# KiCad board panel.kicad_pcb
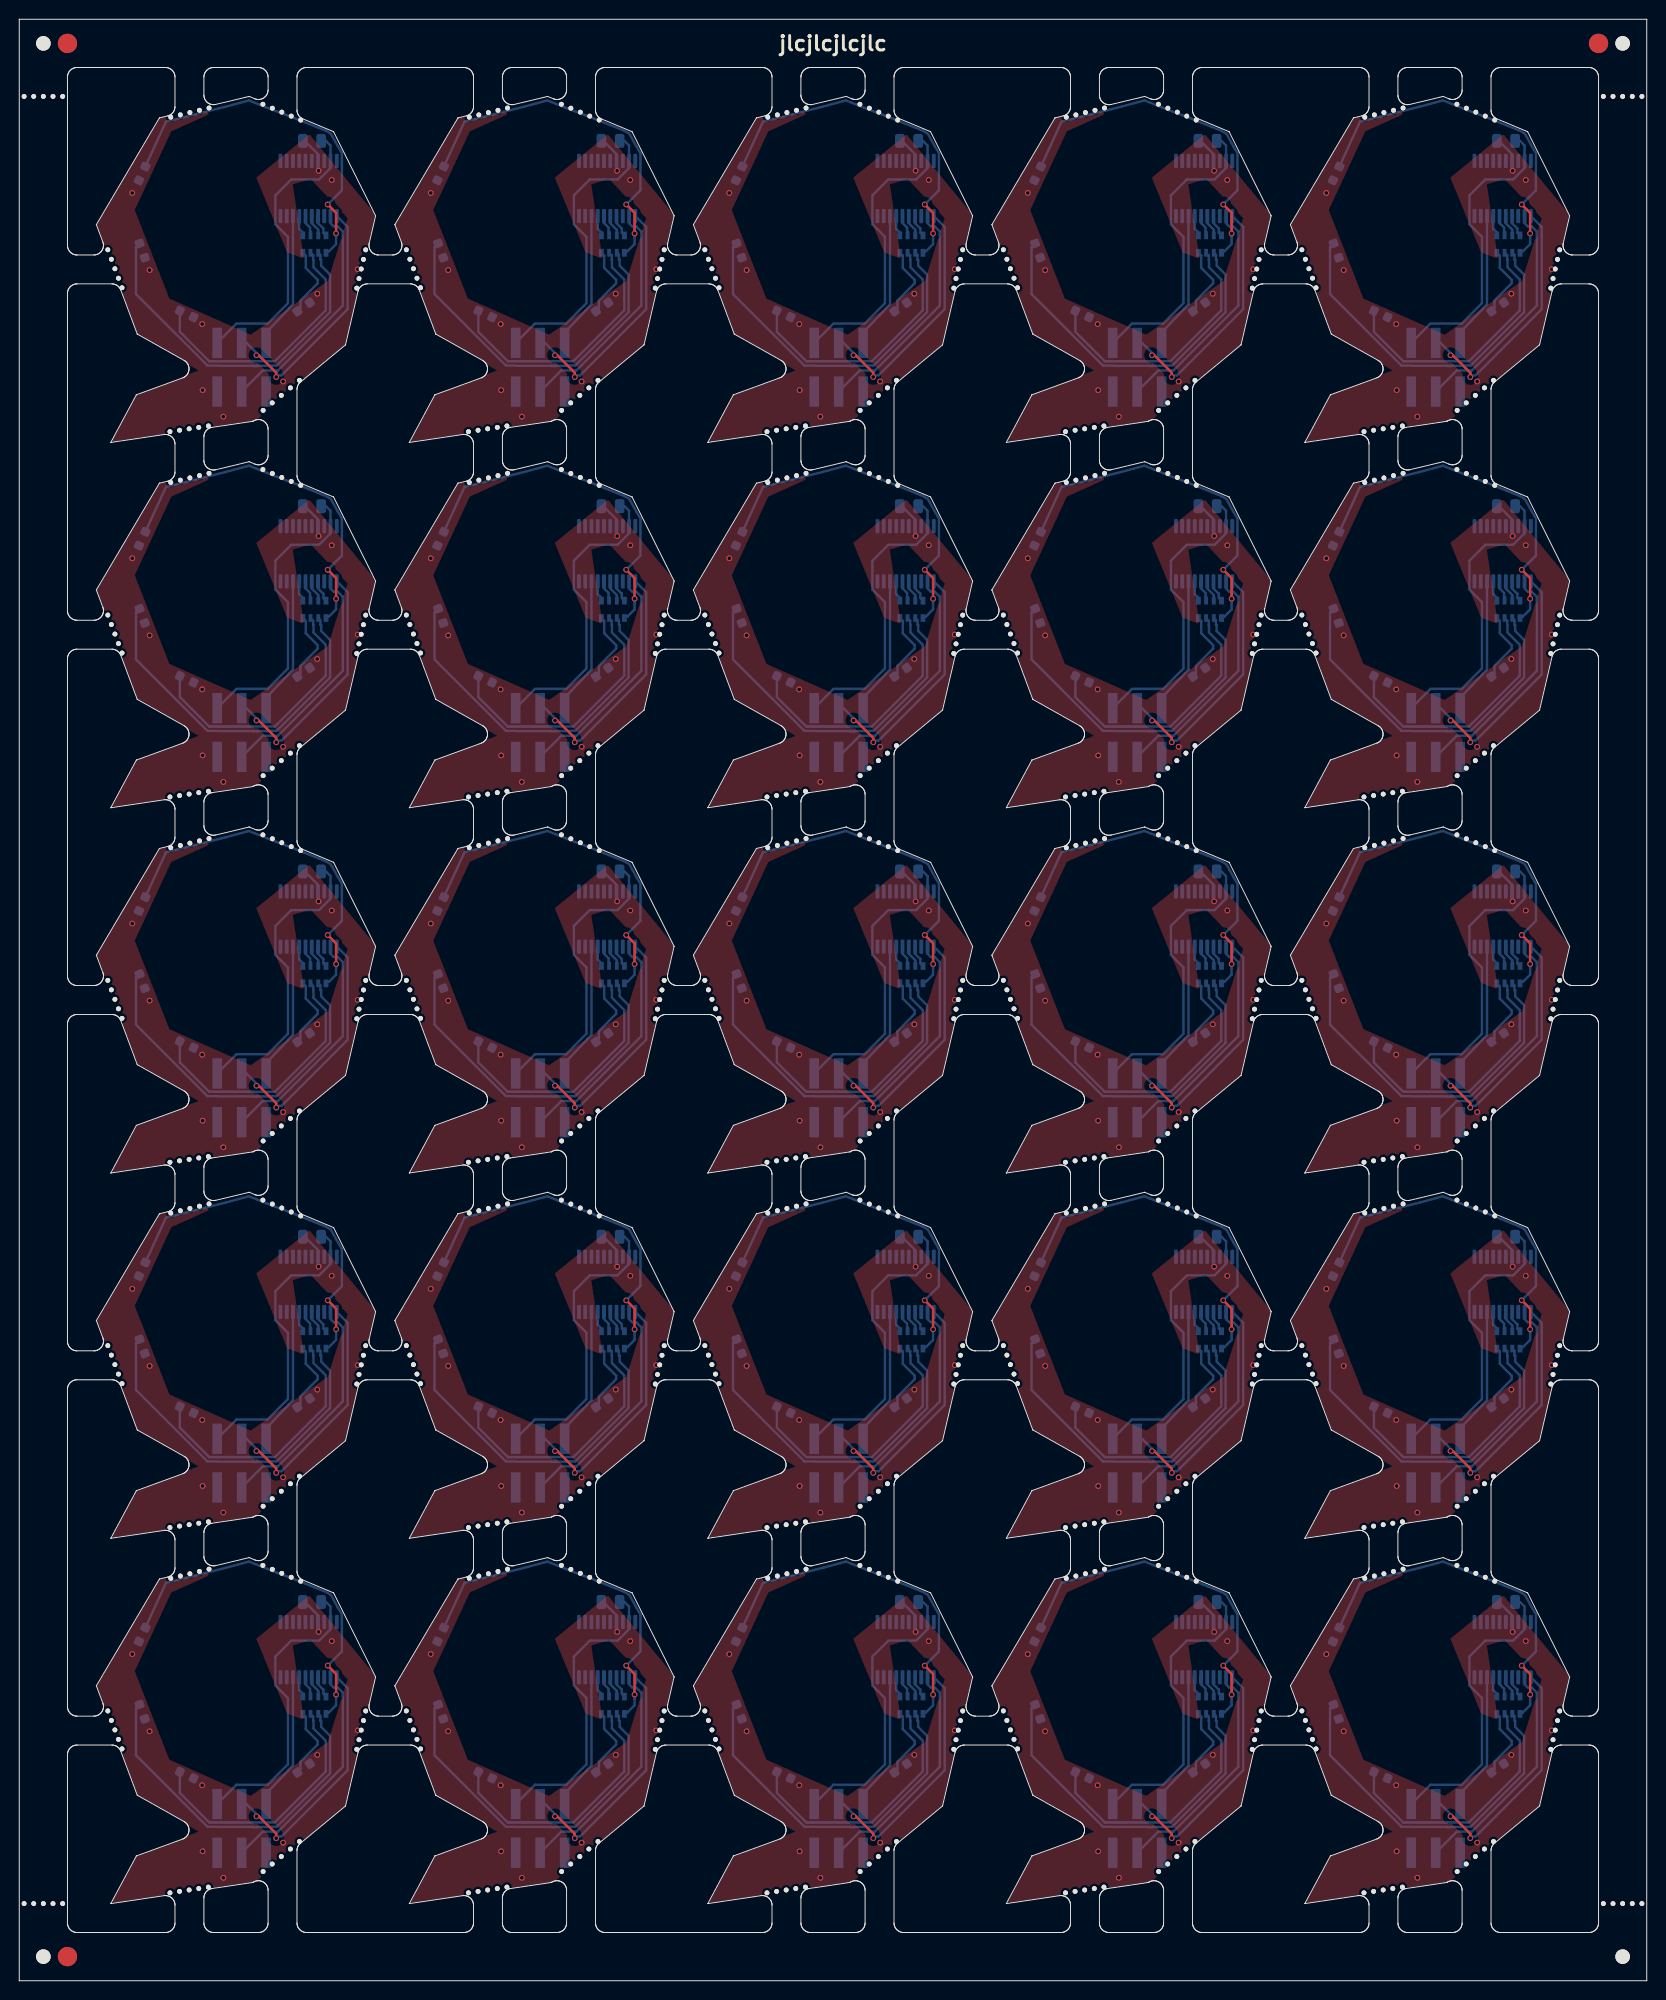
[diagram p0: board, top side]
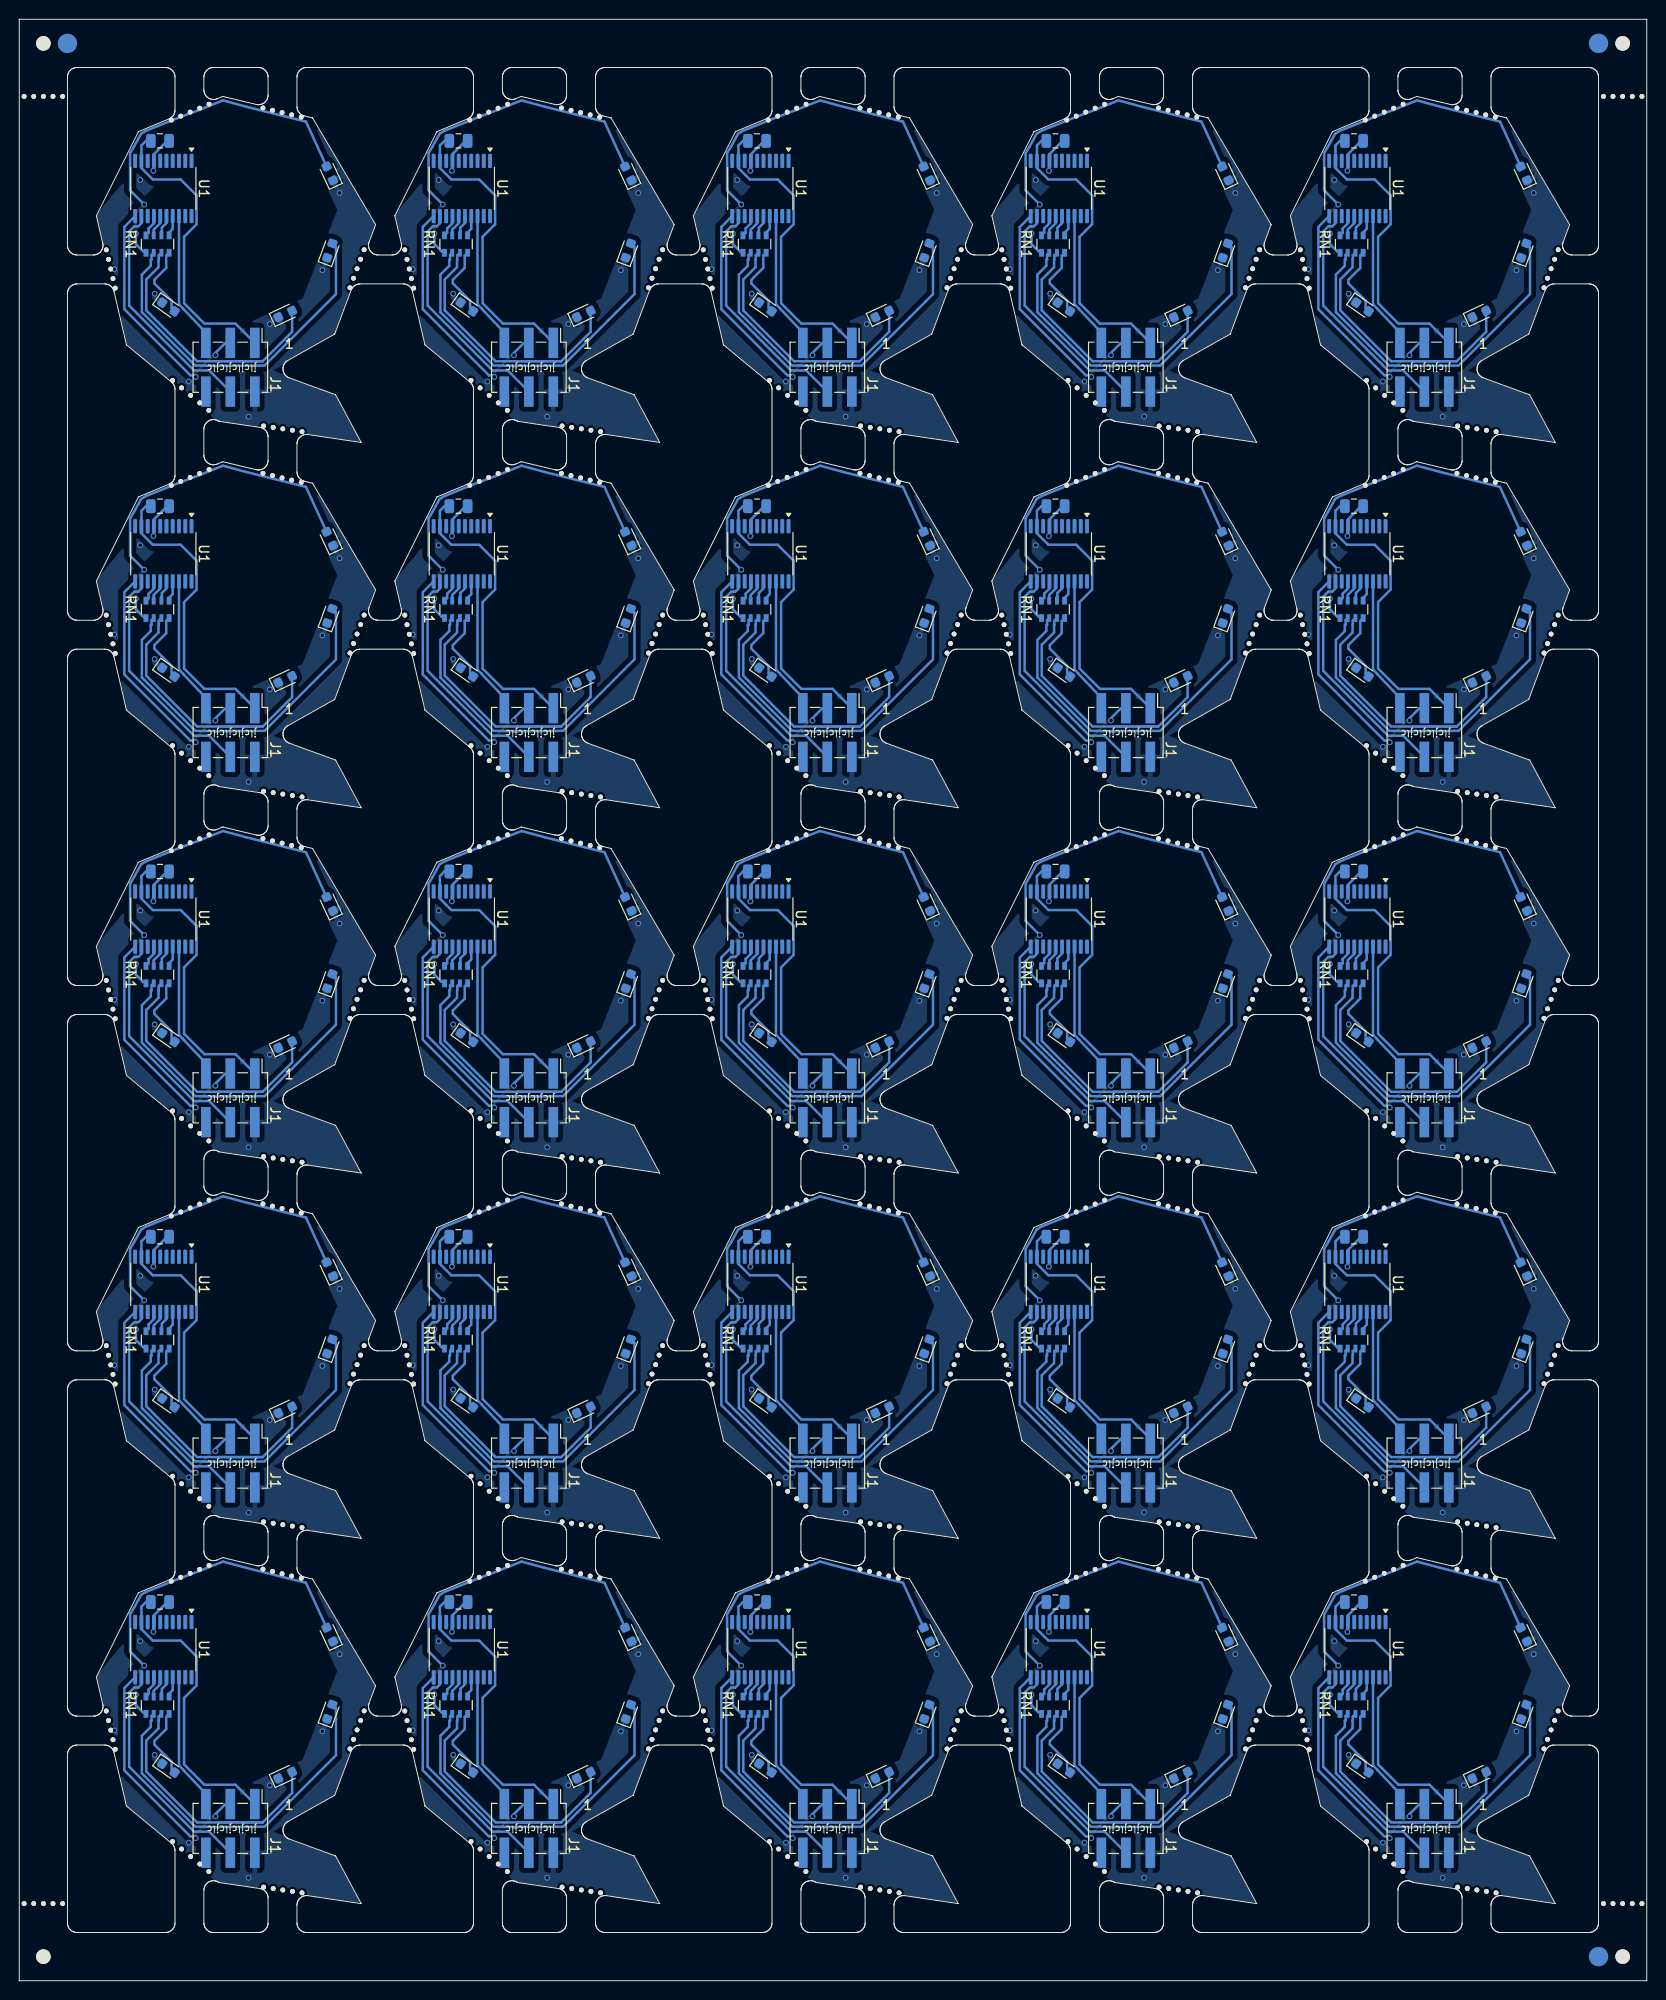
[diagram p1: board, bottom side, seen from below]

Outline 168.89 x 203.43 mm; copper layers: Top, Bottom. Coordinates in mm from the lower left corner of the outline.

## Placement (name value [footprint] x y rotation side)
C1  C_Small  [C_0805_2012Metric]  30.38 39.27 0 bottom
C1#2  C_Small  [C_0805_2012Metric]  154.29 115.05 0 bottom
C1#3  C_Small  [C_0805_2012Metric]  92.33 152.93 0 bottom
C1#4  C_Small  [C_0805_2012Metric]  30.38 190.82 0 bottom
C1#5  C_Small  [C_0805_2012Metric]  123.31 77.16 0 bottom
C1#6  C_Small  [C_0805_2012Metric]  92.33 190.82 0 bottom
C1#7  C_Small  [C_0805_2012Metric]  123.31 152.93 0 bottom
C1#8  C_Small  [C_0805_2012Metric]  123.31 39.27 0 bottom
C1#9  C_Small  [C_0805_2012Metric]  92.33 39.27 0 bottom
C1#10  C_Small  [C_0805_2012Metric]  154.29 190.82 0 bottom
C1#11  C_Small  [C_0805_2012Metric]  154.29 77.16 0 bottom
C1#12  C_Small  [C_0805_2012Metric]  61.35 115.05 0 bottom
C1#13  C_Small  [C_0805_2012Metric]  154.29 152.93 0 bottom
C1#14  C_Small  [C_0805_2012Metric]  30.38 152.93 0 bottom
C1#15  C_Small  [C_0805_2012Metric]  123.31 115.05 0 bottom
C1#16  C_Small  [C_0805_2012Metric]  92.33 115.05 0 bottom
C1#17  C_Small  [C_0805_2012Metric]  61.35 39.27 0 bottom
C1#18  C_Small  [C_0805_2012Metric]  61.35 77.16 0 bottom
C1#19  C_Small  [C_0805_2012Metric]  154.29 39.27 0 bottom
C1#20  C_Small  [C_0805_2012Metric]  123.31 190.82 0 bottom
C1#21  C_Small  [C_0805_2012Metric]  92.33 77.16 0 bottom
C1#22  C_Small  [C_0805_2012Metric]  30.38 115.05 0 bottom
C1#23  C_Small  [C_0805_2012Metric]  61.35 152.93 0 bottom
C1#24  C_Small  [C_0805_2012Metric]  30.38 77.16 0 bottom
C1#25  C_Small  [C_0805_2012Metric]  61.35 190.82 0 bottom
D2  LED_Small  [LED_0603_1608Metric]  74.71 35.9 65 bottom
D2#2  LED_Small  [LED_0603_1608Metric]  43.73 111.67 65 bottom
D2#3  LED_Small  [LED_0603_1608Metric]  43.73 35.9 65 bottom
D2#4  LED_Small  [LED_0603_1608Metric]  12.75 35.9 65 bottom
D2#5  LED_Small  [LED_0603_1608Metric]  105.68 111.67 65 bottom
D2#6  LED_Small  [LED_0603_1608Metric]  105.68 187.44 65 bottom
D2#7  LED_Small  [LED_0603_1608Metric]  105.68 35.9 65 bottom
D2#8  LED_Small  [LED_0603_1608Metric]  136.66 111.67 65 bottom
D2#9  LED_Small  [LED_0603_1608Metric]  12.75 73.78 65 bottom
D2#10  LED_Small  [LED_0603_1608Metric]  43.73 187.44 65 bottom
D2#11  LED_Small  [LED_0603_1608Metric]  105.68 149.56 65 bottom
D2#12  LED_Small  [LED_0603_1608Metric]  136.66 187.44 65 bottom
D2#13  LED_Small  [LED_0603_1608Metric]  136.66 149.56 65 bottom
D2#14  LED_Small  [LED_0603_1608Metric]  12.75 187.44 65 bottom
D2#15  LED_Small  [LED_0603_1608Metric]  136.66 35.9 65 bottom
D2#16  LED_Small  [LED_0603_1608Metric]  136.66 73.78 65 bottom
D2#17  LED_Small  [LED_0603_1608Metric]  12.75 111.67 65 bottom
D2#18  LED_Small  [LED_0603_1608Metric]  12.75 149.56 65 bottom
D2#19  LED_Small  [LED_0603_1608Metric]  74.71 149.56 65 bottom
D2#20  LED_Small  [LED_0603_1608Metric]  74.71 73.78 65 bottom
D2#21  LED_Small  [LED_0603_1608Metric]  74.71 111.67 65 bottom
D2#22  LED_Small  [LED_0603_1608Metric]  74.71 187.44 65 bottom
D2#23  LED_Small  [LED_0603_1608Metric]  43.73 73.78 65 bottom
D2#24  LED_Small  [LED_0603_1608Metric]  43.73 149.56 65 bottom
D2#25  LED_Small  [LED_0603_1608Metric]  105.68 73.78 65 bottom
D4  LED_Small  [LED_0603_1608Metric]  12.75 141.56 110 bottom
D4#2  LED_Small  [LED_0603_1608Metric]  136.66 27.9 110 bottom
D4#3  LED_Small  [LED_0603_1608Metric]  74.71 27.9 110 bottom
D4#4  LED_Small  [LED_0603_1608Metric]  74.71 179.44 110 bottom
D4#5  LED_Small  [LED_0603_1608Metric]  136.66 141.56 110 bottom
D4#6  LED_Small  [LED_0603_1608Metric]  105.68 179.44 110 bottom
D4#7  LED_Small  [LED_0603_1608Metric]  105.68 141.56 110 bottom
D4#8  LED_Small  [LED_0603_1608Metric]  105.68 103.67 110 bottom
D4#9  LED_Small  [LED_0603_1608Metric]  12.75 103.67 110 bottom
D4#10  LED_Small  [LED_0603_1608Metric]  43.73 179.44 110 bottom
D4#11  LED_Small  [LED_0603_1608Metric]  74.71 141.56 110 bottom
D4#12  LED_Small  [LED_0603_1608Metric]  43.73 141.56 110 bottom
D4#13  LED_Small  [LED_0603_1608Metric]  74.71 65.78 110 bottom
D4#14  LED_Small  [LED_0603_1608Metric]  136.66 179.44 110 bottom
D4#15  LED_Small  [LED_0603_1608Metric]  43.73 27.9 110 bottom
D4#16  LED_Small  [LED_0603_1608Metric]  136.66 103.67 110 bottom
D4#17  LED_Small  [LED_0603_1608Metric]  43.73 65.78 110 bottom
D4#18  LED_Small  [LED_0603_1608Metric]  74.71 103.67 110 bottom
D4#19  LED_Small  [LED_0603_1608Metric]  105.68 65.78 110 bottom
D4#20  LED_Small  [LED_0603_1608Metric]  43.73 103.67 110 bottom
D4#21  LED_Small  [LED_0603_1608Metric]  105.68 27.9 110 bottom
D4#22  LED_Small  [LED_0603_1608Metric]  12.75 27.9 110 bottom
D4#23  LED_Small  [LED_0603_1608Metric]  12.75 65.78 110 bottom
D4#24  LED_Small  [LED_0603_1608Metric]  136.66 65.78 110 bottom
D4#25  LED_Small  [LED_0603_1608Metric]  12.75 179.44 110 bottom
D6  LED_Small  [LED_0603_1608Metric]  48.35 21.32 155 bottom
D6#2  LED_Small  [LED_0603_1608Metric]  110.31 97.1 155 bottom
D6#3  LED_Small  [LED_0603_1608Metric]  48.35 97.1 155 bottom
D6#4  LED_Small  [LED_0603_1608Metric]  110.31 172.87 155 bottom
D6#5  LED_Small  [LED_0603_1608Metric]  17.38 172.87 155 bottom
D6#6  LED_Small  [LED_0603_1608Metric]  48.35 134.98 155 bottom
D6#7  LED_Small  [LED_0603_1608Metric]  110.31 59.21 155 bottom
D6#8  LED_Small  [LED_0603_1608Metric]  17.38 97.1 155 bottom
D6#9  LED_Small  [LED_0603_1608Metric]  141.29 172.87 155 bottom
D6#10  LED_Small  [LED_0603_1608Metric]  79.33 97.1 155 bottom
D6#11  LED_Small  [LED_0603_1608Metric]  79.33 21.32 155 bottom
D6#12  LED_Small  [LED_0603_1608Metric]  79.33 59.21 155 bottom
D6#13  LED_Small  [LED_0603_1608Metric]  141.29 134.98 155 bottom
D6#14  LED_Small  [LED_0603_1608Metric]  17.38 59.21 155 bottom
D6#15  LED_Small  [LED_0603_1608Metric]  48.35 172.87 155 bottom
D6#16  LED_Small  [LED_0603_1608Metric]  48.35 59.21 155 bottom
D6#17  LED_Small  [LED_0603_1608Metric]  141.29 21.32 155 bottom
D6#18  LED_Small  [LED_0603_1608Metric]  17.38 134.98 155 bottom
D6#19  LED_Small  [LED_0603_1608Metric]  17.38 21.32 155 bottom
D6#20  LED_Small  [LED_0603_1608Metric]  79.33 172.87 155 bottom
D6#21  LED_Small  [LED_0603_1608Metric]  110.31 21.32 155 bottom
D6#22  LED_Small  [LED_0603_1608Metric]  110.31 134.98 155 bottom
D6#23  LED_Small  [LED_0603_1608Metric]  141.29 59.21 155 bottom
D6#24  LED_Small  [LED_0603_1608Metric]  141.29 97.1 155 bottom
D6#25  LED_Small  [LED_0603_1608Metric]  79.33 134.98 155 bottom
D8  LED_Small  [LED_0603_1608Metric]  122.43 59.93 215 bottom
D8#2  LED_Small  [LED_0603_1608Metric]  91.46 135.71 215 bottom
D8#3  LED_Small  [LED_0603_1608Metric]  60.48 97.82 215 bottom
D8#4  LED_Small  [LED_0603_1608Metric]  91.46 22.05 215 bottom
D8#5  LED_Small  [LED_0603_1608Metric]  60.48 59.93 215 bottom
D8#6  LED_Small  [LED_0603_1608Metric]  122.43 97.82 215 bottom
D8#7  LED_Small  [LED_0603_1608Metric]  122.43 173.59 215 bottom
D8#8  LED_Small  [LED_0603_1608Metric]  91.46 59.93 215 bottom
D8#9  LED_Small  [LED_0603_1608Metric]  29.5 173.59 215 bottom
D8#10  LED_Small  [LED_0603_1608Metric]  29.5 59.93 215 bottom
D8#11  LED_Small  [LED_0603_1608Metric]  60.48 22.05 215 bottom
D8#12  LED_Small  [LED_0603_1608Metric]  29.5 22.05 215 bottom
D8#13  LED_Small  [LED_0603_1608Metric]  29.5 97.82 215 bottom
D8#14  LED_Small  [LED_0603_1608Metric]  60.48 135.71 215 bottom
D8#15  LED_Small  [LED_0603_1608Metric]  122.43 22.05 215 bottom
D8#16  LED_Small  [LED_0603_1608Metric]  153.41 22.05 215 bottom
D8#17  LED_Small  [LED_0603_1608Metric]  29.5 135.71 215 bottom
D8#18  LED_Small  [LED_0603_1608Metric]  122.43 135.71 215 bottom
D8#19  LED_Small  [LED_0603_1608Metric]  153.41 97.82 215 bottom
D8#20  LED_Small  [LED_0603_1608Metric]  60.48 173.59 215 bottom
D8#21  LED_Small  [LED_0603_1608Metric]  153.41 59.93 215 bottom
D8#22  LED_Small  [LED_0603_1608Metric]  153.41 173.59 215 bottom
D8#23  LED_Small  [LED_0603_1608Metric]  153.41 135.71 215 bottom
D8#24  LED_Small  [LED_0603_1608Metric]  91.46 173.59 215 bottom
D8#25  LED_Small  [LED_0603_1608Metric]  91.46 97.82 215 bottom
G***  -  [LOGO]  83.97 101.55 0 top
G***#2  -  [LOGO]  145.93 63.66 0 top
G***#3  -  [LOGO]  22.02 139.43 0 top
G***#4  -  [LOGO]  22.02 101.55 0 top
G***#5  -  [LOGO]  114.95 101.55 0 top
G***#6  -  [LOGO]  145.93 177.32 0 top
G***#7  -  [LOGO]  114.95 177.32 0 top
G***#8  -  [LOGO]  145.93 63.66 0 top
G***#9  -  [LOGO]  83.97 139.43 0 top
G***#10  -  [LOGO]  114.95 139.43 0 top
G***#11  -  [LOGO]  83.97 177.32 0 top
G***#12  -  [LOGO]  145.93 25.77 0 top
G***#13  -  [LOGO]  83.97 25.77 0 top
G***#14  -  [LOGO]  114.95 139.43 0 top
G***#15  -  [LOGO]  114.95 63.66 0 top
G***#16  -  [LOGO]  145.93 25.77 0 top
G***#17  -  [LOGO]  22.02 25.77 0 top
G***#18  -  [LOGO]  22.02 25.77 0 top
G***#19  -  [LOGO]  114.95 25.77 0 top
G***#20  -  [LOGO]  145.93 139.43 0 top
G***#21  -  [LOGO]  52.99 139.43 0 top
G***#22  -  [LOGO]  52.99 63.66 0 top
G***#23  -  [LOGO]  52.99 101.55 0 top
G***#24  -  [LOGO]  114.95 25.77 0 top
G***#25  -  [LOGO]  83.97 63.66 0 top
G***#26  -  [LOGO]  83.97 25.77 0 top
G***#27  -  [LOGO]  114.95 101.55 0 top
G***#28  -  [LOGO]  52.99 177.32 0 top
G***#29  -  [LOGO]  83.97 139.43 0 top
G***#30  -  [LOGO]  145.93 101.55 0 top
G***#31  -  [LOGO]  52.99 63.66 0 top
G***#32  -  [LOGO]  22.02 139.43 0 top
G***#33  -  [LOGO]  83.97 101.55 0 top
G***#34  -  [LOGO]  145.93 139.43 0 top
G***#35  -  [LOGO]  22.02 101.55 0 top
G***#36  -  [LOGO]  52.99 101.55 0 top
G***#37  -  [LOGO]  52.99 25.77 0 top
G***#38  -  [LOGO]  83.97 63.66 0 top
G***#39  -  [LOGO]  52.99 25.77 0 top
G***#40  -  [LOGO]  22.02 63.66 0 top
G***#41  -  [LOGO]  114.95 63.66 0 top
G***#42  -  [LOGO]  145.93 177.32 0 top
G***#43  -  [LOGO]  145.93 101.55 0 top
G***#44  -  [LOGO]  114.95 177.32 0 top
G***#45  -  [LOGO]  22.02 177.32 0 top
G***#46  -  [LOGO]  83.97 177.32 0 top
G***#47  -  [LOGO]  52.99 177.32 0 top
G***#48  -  [LOGO]  22.02 177.32 0 top
G***#49  -  [LOGO]  22.02 63.66 0 top
G***#50  -  [LOGO]  52.99 139.43 0 top
J1  Conn_02x03_Odd_Even  [PinHeader_2x03_P2.54mm_Vertical_SMD]  23.08 129.46 270 bottom
J1#2  Conn_02x03_Odd_Even  [PinHeader_2x03_P2.54mm_Vertical_SMD]  54.05 15.8 270 bottom
J1#3  Conn_02x03_Odd_Even  [PinHeader_2x03_P2.54mm_Vertical_SMD]  116.01 15.8 270 bottom
J1#4  Conn_02x03_Odd_Even  [PinHeader_2x03_P2.54mm_Vertical_SMD]  146.99 53.68 270 bottom
J1#5  Conn_02x03_Odd_Even  [PinHeader_2x03_P2.54mm_Vertical_SMD]  116.01 129.46 270 bottom
J1#6  Conn_02x03_Odd_Even  [PinHeader_2x03_P2.54mm_Vertical_SMD]  116.01 53.68 270 bottom
J1#7  Conn_02x03_Odd_Even  [PinHeader_2x03_P2.54mm_Vertical_SMD]  116.01 167.34 270 bottom
J1#8  Conn_02x03_Odd_Even  [PinHeader_2x03_P2.54mm_Vertical_SMD]  23.08 15.8 270 bottom
J1#9  Conn_02x03_Odd_Even  [PinHeader_2x03_P2.54mm_Vertical_SMD]  146.99 91.57 270 bottom
J1#10  Conn_02x03_Odd_Even  [PinHeader_2x03_P2.54mm_Vertical_SMD]  85.03 53.68 270 bottom
J1#11  Conn_02x03_Odd_Even  [PinHeader_2x03_P2.54mm_Vertical_SMD]  85.03 167.34 270 bottom
J1#12  Conn_02x03_Odd_Even  [PinHeader_2x03_P2.54mm_Vertical_SMD]  146.99 15.8 270 bottom
J1#13  Conn_02x03_Odd_Even  [PinHeader_2x03_P2.54mm_Vertical_SMD]  54.05 91.57 270 bottom
J1#14  Conn_02x03_Odd_Even  [PinHeader_2x03_P2.54mm_Vertical_SMD]  85.03 129.46 270 bottom
J1#15  Conn_02x03_Odd_Even  [PinHeader_2x03_P2.54mm_Vertical_SMD]  116.01 91.57 270 bottom
J1#16  Conn_02x03_Odd_Even  [PinHeader_2x03_P2.54mm_Vertical_SMD]  54.05 53.68 270 bottom
J1#17  Conn_02x03_Odd_Even  [PinHeader_2x03_P2.54mm_Vertical_SMD]  54.05 167.34 270 bottom
J1#18  Conn_02x03_Odd_Even  [PinHeader_2x03_P2.54mm_Vertical_SMD]  23.08 91.57 270 bottom
J1#19  Conn_02x03_Odd_Even  [PinHeader_2x03_P2.54mm_Vertical_SMD]  146.99 167.34 270 bottom
J1#20  Conn_02x03_Odd_Even  [PinHeader_2x03_P2.54mm_Vertical_SMD]  85.03 91.57 270 bottom
J1#21  Conn_02x03_Odd_Even  [PinHeader_2x03_P2.54mm_Vertical_SMD]  146.99 129.46 270 bottom
J1#22  Conn_02x03_Odd_Even  [PinHeader_2x03_P2.54mm_Vertical_SMD]  23.08 167.34 270 bottom
J1#23  Conn_02x03_Odd_Even  [PinHeader_2x03_P2.54mm_Vertical_SMD]  85.03 15.8 270 bottom
J1#24  Conn_02x03_Odd_Even  [PinHeader_2x03_P2.54mm_Vertical_SMD]  54.05 129.46 270 bottom
J1#25  Conn_02x03_Odd_Even  [PinHeader_2x03_P2.54mm_Vertical_SMD]  23.08 53.68 270 bottom
KiKit_FID_B_1  -  [Fiducial]  5 200.93 180 bottom
KiKit_FID_B_2  -  [Fiducial]  163.89 200.93 180 bottom
KiKit_FID_B_3  -  [Fiducial]  5 2.5 180 bottom
KiKit_FID_T_1  -  [Fiducial]  5 200.93 0 top
KiKit_FID_T_2  -  [Fiducial]  163.89 200.93 0 top
KiKit_FID_T_3  -  [Fiducial]  5 2.5 0 top
KiKit_MB_1_1  -  [NPTH]  10.66 175.59 0 top
KiKit_MB_1_2  -  [NPTH]  10.29 176.57 0 top
KiKit_MB_1_3  -  [NPTH]  9.92 177.56 0 top
KiKit_MB_1_4  -  [NPTH]  9.56 178.54 0 top
KiKit_MB_1_5  -  [NPTH]  9.19 179.53 0 top
KiKit_MB_2_1  -  [NPTH]  35.95 179.52 0 top
KiKit_MB_2_2  -  [NPTH]  35.72 178.53 0 top
KiKit_MB_2_3  -  [NPTH]  35.49 177.53 0 top
KiKit_MB_2_4  -  [NPTH]  35.25 176.54 0 top
KiKit_MB_2_5  -  [NPTH]  35.02 175.55 0 top
KiKit_MB_3_1  -  [NPTH]  15.72 193.28 0 top
KiKit_MB_3_2  -  [NPTH]  16.71 193.52 0 top
KiKit_MB_3_3  -  [NPTH]  17.71 193.75 0 top
KiKit_MB_3_4  -  [NPTH]  18.7 193.99 0 top
KiKit_MB_3_5  -  [NPTH]  19.69 194.23 0 top
KiKit_MB_4_1  -  [NPTH]  25.28 194.62 0 top
KiKit_MB_4_2  -  [NPTH]  26.26 194.21 0 top
KiKit_MB_4_3  -  [NPTH]  27.24 193.8 0 top
KiKit_MB_4_4  -  [NPTH]  28.22 193.39 0 top
KiKit_MB_4_5  -  [NPTH]  29.2 192.98 0 top
KiKit_MB_5_1  -  [NPTH]  19.62 161.25 0 top
KiKit_MB_5_2  -  [NPTH]  18.63 161.11 0 top
KiKit_MB_5_3  -  [NPTH]  17.63 160.96 0 top
KiKit_MB_5_4  -  [NPTH]  16.63 160.81 0 top
KiKit_MB_5_5  -  [NPTH]  15.64 160.66 0 top
KiKit_MB_6_1  -  [NPTH]  29.08 165.98 0 top
KiKit_MB_6_2  -  [NPTH]  28.13 165.2 0 top
KiKit_MB_6_3  -  [NPTH]  27.19 164.43 0 top
KiKit_MB_6_4  -  [NPTH]  26.25 163.65 0 top
KiKit_MB_6_5  -  [NPTH]  25.31 162.87 0 top
KiKit_MB_7_1  -  [NPTH]  41.64 175.59 0 top
KiKit_MB_7_2  -  [NPTH]  41.27 176.57 0 top
KiKit_MB_7_3  -  [NPTH]  40.9 177.56 0 top
KiKit_MB_7_4  -  [NPTH]  40.53 178.54 0 top
KiKit_MB_7_5  -  [NPTH]  40.17 179.53 0 top
KiKit_MB_8_1  -  [NPTH]  66.93 179.52 0 top
KiKit_MB_8_2  -  [NPTH]  66.69 178.53 0 top
KiKit_MB_8_3  -  [NPTH]  66.46 177.53 0 top
KiKit_MB_8_4  -  [NPTH]  66.23 176.54 0 top
KiKit_MB_8_5  -  [NPTH]  66 175.55 0 top
KiKit_MB_9_1  -  [NPTH]  46.7 193.28 0 top
KiKit_MB_9_2  -  [NPTH]  47.69 193.52 0 top
KiKit_MB_9_3  -  [NPTH]  48.68 193.75 0 top
KiKit_MB_9_4  -  [NPTH]  49.68 193.99 0 top
KiKit_MB_9_5  -  [NPTH]  50.67 194.23 0 top
KiKit_MB_10_1  -  [NPTH]  56.26 194.62 0 top
KiKit_MB_10_2  -  [NPTH]  57.24 194.21 0 top
KiKit_MB_10_3  -  [NPTH]  58.22 193.8 0 top
KiKit_MB_10_4  -  [NPTH]  59.2 193.39 0 top
KiKit_MB_10_5  -  [NPTH]  60.18 192.98 0 top
KiKit_MB_11_1  -  [NPTH]  50.6 161.25 0 top
KiKit_MB_11_2  -  [NPTH]  49.6 161.11 0 top
KiKit_MB_11_3  -  [NPTH]  48.61 160.96 0 top
KiKit_MB_11_4  -  [NPTH]  47.61 160.81 0 top
KiKit_MB_11_5  -  [NPTH]  46.61 160.66 0 top
KiKit_MB_12_1  -  [NPTH]  60.05 165.98 0 top
KiKit_MB_12_2  -  [NPTH]  59.11 165.2 0 top
KiKit_MB_12_3  -  [NPTH]  58.17 164.43 0 top
KiKit_MB_12_4  -  [NPTH]  57.23 163.65 0 top
KiKit_MB_12_5  -  [NPTH]  56.28 162.87 0 top
KiKit_MB_13_1  -  [NPTH]  72.62 175.59 0 top
KiKit_MB_13_2  -  [NPTH]  72.25 176.57 0 top
KiKit_MB_13_3  -  [NPTH]  71.88 177.56 0 top
KiKit_MB_13_4  -  [NPTH]  71.51 178.54 0 top
KiKit_MB_13_5  -  [NPTH]  71.14 179.53 0 top
KiKit_MB_14_1  -  [NPTH]  97.9 179.52 0 top
KiKit_MB_14_2  -  [NPTH]  97.67 178.53 0 top
KiKit_MB_14_3  -  [NPTH]  97.44 177.53 0 top
KiKit_MB_14_4  -  [NPTH]  97.21 176.54 0 top
KiKit_MB_14_5  -  [NPTH]  96.98 175.55 0 top
KiKit_MB_15_1  -  [NPTH]  77.67 193.28 0 top
KiKit_MB_15_2  -  [NPTH]  78.67 193.52 0 top
KiKit_MB_15_3  -  [NPTH]  79.66 193.75 0 top
KiKit_MB_15_4  -  [NPTH]  80.65 193.99 0 top
KiKit_MB_15_5  -  [NPTH]  81.65 194.23 0 top
KiKit_MB_16_1  -  [NPTH]  87.23 194.62 0 top
KiKit_MB_16_2  -  [NPTH]  88.22 194.21 0 top
KiKit_MB_16_3  -  [NPTH]  89.2 193.8 0 top
KiKit_MB_16_4  -  [NPTH]  90.18 193.39 0 top
KiKit_MB_16_5  -  [NPTH]  91.16 192.98 0 top
KiKit_MB_17_1  -  [NPTH]  81.58 161.25 0 top
KiKit_MB_17_2  -  [NPTH]  80.58 161.11 0 top
KiKit_MB_17_3  -  [NPTH]  79.58 160.96 0 top
KiKit_MB_17_4  -  [NPTH]  78.59 160.81 0 top
KiKit_MB_17_5  -  [NPTH]  77.59 160.66 0 top
KiKit_MB_18_1  -  [NPTH]  91.03 165.98 0 top
KiKit_MB_18_2  -  [NPTH]  90.09 165.2 0 top
KiKit_MB_18_3  -  [NPTH]  89.15 164.43 0 top
KiKit_MB_18_4  -  [NPTH]  88.2 163.65 0 top
KiKit_MB_18_5  -  [NPTH]  87.26 162.87 0 top
KiKit_MB_19_1  -  [NPTH]  103.59 175.59 0 top
KiKit_MB_19_2  -  [NPTH]  103.23 176.57 0 top
KiKit_MB_19_3  -  [NPTH]  102.86 177.56 0 top
KiKit_MB_19_4  -  [NPTH]  102.49 178.54 0 top
KiKit_MB_19_5  -  [NPTH]  102.12 179.53 0 top
KiKit_MB_20_1  -  [NPTH]  128.88 179.52 0 top
KiKit_MB_20_2  -  [NPTH]  128.65 178.53 0 top
KiKit_MB_20_3  -  [NPTH]  128.42 177.53 0 top
KiKit_MB_20_4  -  [NPTH]  128.19 176.54 0 top
KiKit_MB_20_5  -  [NPTH]  127.95 175.55 0 top
KiKit_MB_21_1  -  [NPTH]  108.65 193.28 0 top
KiKit_MB_21_2  -  [NPTH]  109.64 193.52 0 top
KiKit_MB_21_3  -  [NPTH]  110.64 193.75 0 top
KiKit_MB_21_4  -  [NPTH]  111.63 193.99 0 top
KiKit_MB_21_5  -  [NPTH]  112.62 194.23 0 top
KiKit_MB_22_1  -  [NPTH]  118.21 194.62 0 top
KiKit_MB_22_2  -  [NPTH]  119.19 194.21 0 top
KiKit_MB_22_3  -  [NPTH]  120.17 193.8 0 top
KiKit_MB_22_4  -  [NPTH]  121.15 193.39 0 top
KiKit_MB_22_5  -  [NPTH]  122.13 192.98 0 top
KiKit_MB_23_1  -  [NPTH]  112.56 161.25 0 top
KiKit_MB_23_2  -  [NPTH]  111.56 161.11 0 top
KiKit_MB_23_3  -  [NPTH]  110.56 160.96 0 top
KiKit_MB_23_4  -  [NPTH]  109.56 160.81 0 top
KiKit_MB_23_5  -  [NPTH]  108.57 160.66 0 top
KiKit_MB_24_1  -  [NPTH]  122.01 165.98 0 top
KiKit_MB_24_2  -  [NPTH]  121.07 165.2 0 top
KiKit_MB_24_3  -  [NPTH]  120.12 164.43 0 top
KiKit_MB_24_4  -  [NPTH]  119.18 163.65 0 top
KiKit_MB_24_5  -  [NPTH]  118.24 162.87 0 top
KiKit_MB_25_1  -  [NPTH]  134.57 175.59 0 top
KiKit_MB_25_2  -  [NPTH]  134.2 176.57 0 top
KiKit_MB_25_3  -  [NPTH]  133.83 177.56 0 top
KiKit_MB_25_4  -  [NPTH]  133.47 178.54 0 top
KiKit_MB_25_5  -  [NPTH]  133.1 179.53 0 top
KiKit_MB_26_1  -  [NPTH]  159.86 179.52 0 top
KiKit_MB_26_2  -  [NPTH]  159.63 178.53 0 top
KiKit_MB_26_3  -  [NPTH]  159.4 177.53 0 top
KiKit_MB_26_4  -  [NPTH]  159.16 176.54 0 top
KiKit_MB_26_5  -  [NPTH]  158.93 175.55 0 top
KiKit_MB_27_1  -  [NPTH]  139.63 193.28 0 top
KiKit_MB_27_2  -  [NPTH]  140.62 193.52 0 top
KiKit_MB_27_3  -  [NPTH]  141.62 193.75 0 top
KiKit_MB_27_4  -  [NPTH]  142.61 193.99 0 top
KiKit_MB_27_5  -  [NPTH]  143.6 194.23 0 top
KiKit_MB_28_1  -  [NPTH]  149.19 194.62 0 top
KiKit_MB_28_2  -  [NPTH]  150.17 194.21 0 top
KiKit_MB_28_3  -  [NPTH]  151.15 193.8 0 top
KiKit_MB_28_4  -  [NPTH]  152.13 193.39 0 top